# KiCad board led_mapper_850.kicad_pcb (continued)
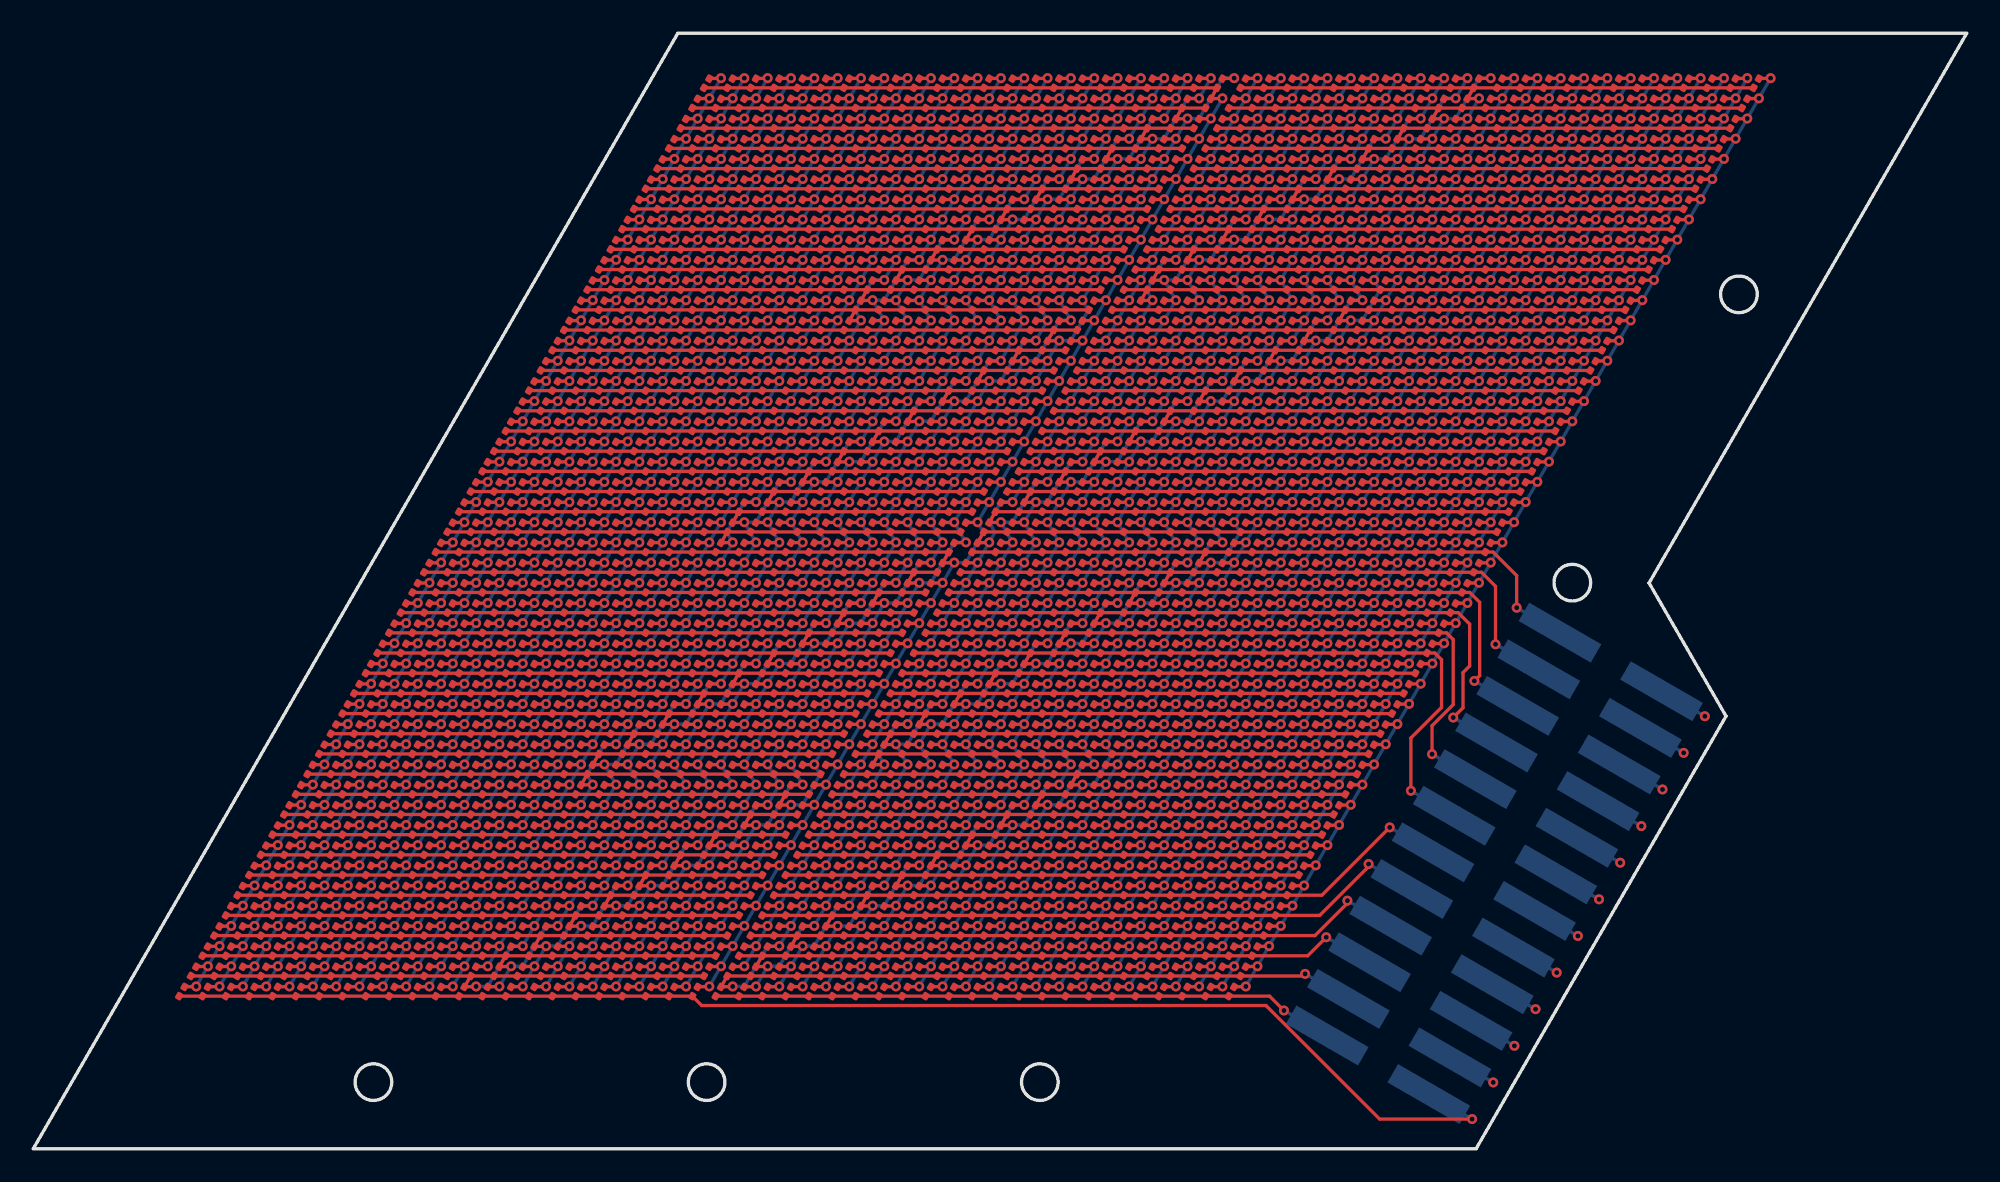
[diagram p0: board, top side]
## Placement (name value [footprint] x y rotation side) (continued)
D1182  LED  [LED_0201_0603Metric_XINGLIGHT]  66.31 33.69 60 top
D1183  LED  [LED_0201_0603Metric_XINGLIGHT]  67.71 33.69 60 top
D1184  LED  [LED_0201_0603Metric_XINGLIGHT]  69.11 33.69 60 top
D1185  LED  [LED_0201_0603Metric_XINGLIGHT]  70.51 33.69 60 top
D1186  LED  [LED_0201_0603Metric_XINGLIGHT]  71.91 33.69 60 top
D1187  LED  [LED_0201_0603Metric_XINGLIGHT]  73.31 33.69 60 top
D1188  LED  [LED_0201_0603Metric_XINGLIGHT]  74.71 33.69 60 top
D1189  LED  [LED_0201_0603Metric_XINGLIGHT]  76.11 33.69 60 top
D1190  LED  [LED_0201_0603Metric_XINGLIGHT]  77.51 33.69 60 top
D1191  LED  [LED_0201_0603Metric_XINGLIGHT]  78.91 33.69 60 top
D1192  LED  [LED_0201_0603Metric_XINGLIGHT]  80.31 33.69 60 top
D1193  LED  [LED_0201_0603Metric_XINGLIGHT]  81.71 33.69 60 top
D1194  LED  [LED_0201_0603Metric_XINGLIGHT]  83.11 33.69 60 top
D1195  LED  [LED_0201_0603Metric_XINGLIGHT]  84.51 33.69 60 top
D1196  LED  [LED_0201_0603Metric_XINGLIGHT]  85.91 33.69 60 top
D1197  LED  [LED_0201_0603Metric_XINGLIGHT]  22.21 32.48 60 top
D1198  LED  [LED_0201_0603Metric_XINGLIGHT]  23.61 32.48 60 top
D1199  LED  [LED_0201_0603Metric_XINGLIGHT]  25.01 32.48 60 top
D1200  LED  [LED_0201_0603Metric_XINGLIGHT]  26.41 32.48 60 top
D1201  LED  [LED_0201_0603Metric_XINGLIGHT]  27.81 32.48 60 top
D1202  LED  [LED_0201_0603Metric_XINGLIGHT]  29.21 32.48 60 top
D1203  LED  [LED_0201_0603Metric_XINGLIGHT]  30.61 32.48 60 top
D1204  LED  [LED_0201_0603Metric_XINGLIGHT]  32.01 32.48 60 top
D1205  LED  [LED_0201_0603Metric_XINGLIGHT]  33.41 32.48 60 top
D1206  LED  [LED_0201_0603Metric_XINGLIGHT]  34.81 32.48 60 top
D1207  LED  [LED_0201_0603Metric_XINGLIGHT]  36.21 32.48 60 top
D1208  LED  [LED_0201_0603Metric_XINGLIGHT]  37.61 32.48 60 top
D1209  LED  [LED_0201_0603Metric_XINGLIGHT]  39.01 32.48 60 top
D1210  LED  [LED_0201_0603Metric_XINGLIGHT]  40.41 32.48 60 top
D1211  LED  [LED_0201_0603Metric_XINGLIGHT]  41.81 32.48 60 top
D1212  LED  [LED_0201_0603Metric_XINGLIGHT]  43.21 32.48 60 top
D1213  LED  [LED_0201_0603Metric_XINGLIGHT]  44.61 32.48 60 top
D1214  LED  [LED_0201_0603Metric_XINGLIGHT]  46.01 32.48 60 top
D1215  LED  [LED_0201_0603Metric_XINGLIGHT]  47.41 32.48 60 top
D1216  LED  [LED_0201_0603Metric_XINGLIGHT]  48.81 32.48 60 top
D1217  LED  [LED_0201_0603Metric_XINGLIGHT]  50.21 32.48 60 top
D1218  LED  [LED_0201_0603Metric_XINGLIGHT]  51.61 32.48 60 top
D1219  LED  [LED_0201_0603Metric_XINGLIGHT]  53.01 32.48 60 top
D1220  LED  [LED_0201_0603Metric_XINGLIGHT]  54.41 32.48 60 top
D1221  LED  [LED_0201_0603Metric_XINGLIGHT]  55.81 32.48 60 top
D1222  LED  [LED_0201_0603Metric_XINGLIGHT]  57.21 32.48 60 top
D1223  LED  [LED_0201_0603Metric_XINGLIGHT]  58.61 32.48 60 top
D1224  LED  [LED_0201_0603Metric_XINGLIGHT]  60.01 32.48 60 top
D1225  LED  [LED_0201_0603Metric_XINGLIGHT]  61.41 32.48 60 top
D1226  LED  [LED_0201_0603Metric_XINGLIGHT]  62.81 32.48 60 top
D1227  LED  [LED_0201_0603Metric_XINGLIGHT]  64.21 32.48 60 top
D1228  LED  [LED_0201_0603Metric_XINGLIGHT]  65.61 32.48 60 top
D1229  LED  [LED_0201_0603Metric_XINGLIGHT]  67.01 32.48 60 top
D1230  LED  [LED_0201_0603Metric_XINGLIGHT]  68.41 32.48 60 top
D1231  LED  [LED_0201_0603Metric_XINGLIGHT]  69.81 32.48 60 top
D1232  LED  [LED_0201_0603Metric_XINGLIGHT]  71.21 32.48 60 top
D1233  LED  [LED_0201_0603Metric_XINGLIGHT]  72.61 32.48 60 top
D1234  LED  [LED_0201_0603Metric_XINGLIGHT]  74.01 32.48 60 top
D1235  LED  [LED_0201_0603Metric_XINGLIGHT]  75.41 32.48 60 top
D1236  LED  [LED_0201_0603Metric_XINGLIGHT]  76.81 32.48 60 top
D1237  LED  [LED_0201_0603Metric_XINGLIGHT]  78.21 32.48 60 top
D1238  LED  [LED_0201_0603Metric_XINGLIGHT]  79.61 32.48 60 top
D1239  LED  [LED_0201_0603Metric_XINGLIGHT]  81.01 32.48 60 top
D1240  LED  [LED_0201_0603Metric_XINGLIGHT]  82.41 32.48 60 top
D1241  LED  [LED_0201_0603Metric_XINGLIGHT]  83.81 32.48 60 top
D1242  LED  [LED_0201_0603Metric_XINGLIGHT]  85.21 32.48 60 top
D1243  LED  [LED_0201_0603Metric_XINGLIGHT]  21.51 31.26 60 top
D1244  LED  [LED_0201_0603Metric_XINGLIGHT]  22.91 31.26 60 top
D1245  LED  [LED_0201_0603Metric_XINGLIGHT]  24.31 31.26 60 top
D1246  LED  [LED_0201_0603Metric_XINGLIGHT]  25.71 31.26 60 top
D1247  LED  [LED_0201_0603Metric_XINGLIGHT]  27.11 31.26 60 top
D1248  LED  [LED_0201_0603Metric_XINGLIGHT]  28.51 31.26 60 top
D1249  LED  [LED_0201_0603Metric_XINGLIGHT]  29.91 31.26 60 top
D1250  LED  [LED_0201_0603Metric_XINGLIGHT]  31.31 31.26 60 top
D1251  LED  [LED_0201_0603Metric_XINGLIGHT]  32.71 31.26 60 top
D1252  LED  [LED_0201_0603Metric_XINGLIGHT]  34.11 31.26 60 top
D1253  LED  [LED_0201_0603Metric_XINGLIGHT]  35.51 31.26 60 top
D1254  LED  [LED_0201_0603Metric_XINGLIGHT]  36.91 31.26 60 top
D1255  LED  [LED_0201_0603Metric_XINGLIGHT]  38.31 31.26 60 top
D1256  LED  [LED_0201_0603Metric_XINGLIGHT]  39.71 31.26 60 top
D1257  LED  [LED_0201_0603Metric_XINGLIGHT]  41.11 31.26 60 top
D1258  LED  [LED_0201_0603Metric_XINGLIGHT]  42.51 31.26 60 top
D1259  LED  [LED_0201_0603Metric_XINGLIGHT]  43.91 31.26 60 top
D1260  LED  [LED_0201_0603Metric_XINGLIGHT]  45.31 31.26 60 top
D1261  LED  [LED_0201_0603Metric_XINGLIGHT]  46.71 31.26 60 top
D1262  LED  [LED_0201_0603Metric_XINGLIGHT]  48.11 31.26 60 top
D1263  LED  [LED_0201_0603Metric_XINGLIGHT]  49.51 31.26 60 top
D1264  LED  [LED_0201_0603Metric_XINGLIGHT]  50.91 31.26 60 top
D1265  LED  [LED_0201_0603Metric_XINGLIGHT]  52.31 31.26 60 top
D1266  LED  [LED_0201_0603Metric_XINGLIGHT]  53.71 31.26 60 top
D1267  LED  [LED_0201_0603Metric_XINGLIGHT]  55.11 31.26 60 top
D1268  LED  [LED_0201_0603Metric_XINGLIGHT]  56.51 31.26 60 top
D1269  LED  [LED_0201_0603Metric_XINGLIGHT]  57.91 31.26 60 top
D1270  LED  [LED_0201_0603Metric_XINGLIGHT]  59.31 31.26 60 top
D1271  LED  [LED_0201_0603Metric_XINGLIGHT]  60.71 31.26 60 top
D1272  LED  [LED_0201_0603Metric_XINGLIGHT]  62.11 31.26 60 top
D1273  LED  [LED_0201_0603Metric_XINGLIGHT]  63.51 31.26 60 top
D1274  LED  [LED_0201_0603Metric_XINGLIGHT]  64.91 31.26 60 top
D1275  LED  [LED_0201_0603Metric_XINGLIGHT]  66.31 31.26 60 top
D1276  LED  [LED_0201_0603Metric_XINGLIGHT]  67.71 31.26 60 top
D1277  LED  [LED_0201_0603Metric_XINGLIGHT]  69.11 31.26 60 top
D1278  LED  [LED_0201_0603Metric_XINGLIGHT]  70.51 31.26 60 top
D1279  LED  [LED_0201_0603Metric_XINGLIGHT]  71.91 31.26 60 top
D1280  LED  [LED_0201_0603Metric_XINGLIGHT]  73.31 31.26 60 top
D1281  LED  [LED_0201_0603Metric_XINGLIGHT]  74.71 31.26 60 top
D1282  LED  [LED_0201_0603Metric_XINGLIGHT]  76.11 31.26 60 top
D1283  LED  [LED_0201_0603Metric_XINGLIGHT]  77.51 31.26 60 top
D1284  LED  [LED_0201_0603Metric_XINGLIGHT]  78.91 31.26 60 top
D1285  LED  [LED_0201_0603Metric_XINGLIGHT]  80.31 31.26 60 top
D1286  LED  [LED_0201_0603Metric_XINGLIGHT]  81.71 31.26 60 top
D1287  LED  [LED_0201_0603Metric_XINGLIGHT]  83.11 31.26 60 top
D1288  LED  [LED_0201_0603Metric_XINGLIGHT]  84.51 31.26 60 top
D1289  LED  [LED_0201_0603Metric_XINGLIGHT]  20.81 30.05 60 top
D1290  LED  [LED_0201_0603Metric_XINGLIGHT]  22.21 30.05 60 top
D1291  LED  [LED_0201_0603Metric_XINGLIGHT]  23.61 30.05 60 top
D1292  LED  [LED_0201_0603Metric_XINGLIGHT]  25.01 30.05 60 top
D1293  LED  [LED_0201_0603Metric_XINGLIGHT]  26.41 30.05 60 top
D1294  LED  [LED_0201_0603Metric_XINGLIGHT]  27.81 30.05 60 top
D1295  LED  [LED_0201_0603Metric_XINGLIGHT]  29.21 30.05 60 top
D1296  LED  [LED_0201_0603Metric_XINGLIGHT]  30.61 30.05 60 top
D1297  LED  [LED_0201_0603Metric_XINGLIGHT]  32.01 30.05 60 top
D1298  LED  [LED_0201_0603Metric_XINGLIGHT]  33.41 30.05 60 top
D1299  LED  [LED_0201_0603Metric_XINGLIGHT]  34.81 30.05 60 top
D1300  LED  [LED_0201_0603Metric_XINGLIGHT]  36.21 30.05 60 top
D1301  LED  [LED_0201_0603Metric_XINGLIGHT]  37.61 30.05 60 top
D1302  LED  [LED_0201_0603Metric_XINGLIGHT]  39.01 30.05 60 top
D1303  LED  [LED_0201_0603Metric_XINGLIGHT]  40.41 30.05 60 top
D1304  LED  [LED_0201_0603Metric_XINGLIGHT]  41.81 30.05 60 top
D1305  LED  [LED_0201_0603Metric_XINGLIGHT]  43.21 30.05 60 top
D1306  LED  [LED_0201_0603Metric_XINGLIGHT]  44.61 30.05 60 top
D1307  LED  [LED_0201_0603Metric_XINGLIGHT]  46.01 30.05 60 top
D1308  LED  [LED_0201_0603Metric_XINGLIGHT]  47.41 30.05 60 top
D1309  LED  [LED_0201_0603Metric_XINGLIGHT]  48.81 30.05 60 top
D1310  LED  [LED_0201_0603Metric_XINGLIGHT]  50.21 30.05 60 top
D1311  LED  [LED_0201_0603Metric_XINGLIGHT]  51.61 30.05 60 top
D1312  LED  [LED_0201_0603Metric_XINGLIGHT]  53.01 30.05 60 top
D1313  LED  [LED_0201_0603Metric_XINGLIGHT]  54.41 30.05 60 top
D1314  LED  [LED_0201_0603Metric_XINGLIGHT]  55.81 30.05 60 top
D1315  LED  [LED_0201_0603Metric_XINGLIGHT]  57.21 30.05 60 top
D1316  LED  [LED_0201_0603Metric_XINGLIGHT]  58.61 30.05 60 top
D1317  LED  [LED_0201_0603Metric_XINGLIGHT]  60.01 30.05 60 top
D1318  LED  [LED_0201_0603Metric_XINGLIGHT]  61.41 30.05 60 top
D1319  LED  [LED_0201_0603Metric_XINGLIGHT]  62.81 30.05 60 top
D1320  LED  [LED_0201_0603Metric_XINGLIGHT]  64.21 30.05 60 top
D1321  LED  [LED_0201_0603Metric_XINGLIGHT]  65.61 30.05 60 top
D1322  LED  [LED_0201_0603Metric_XINGLIGHT]  67.01 30.05 60 top
D1323  LED  [LED_0201_0603Metric_XINGLIGHT]  68.41 30.05 60 top
D1324  LED  [LED_0201_0603Metric_XINGLIGHT]  69.81 30.05 60 top
D1325  LED  [LED_0201_0603Metric_XINGLIGHT]  71.21 30.05 60 top
D1326  LED  [LED_0201_0603Metric_XINGLIGHT]  72.61 30.05 60 top
D1327  LED  [LED_0201_0603Metric_XINGLIGHT]  74.01 30.05 60 top
D1328  LED  [LED_0201_0603Metric_XINGLIGHT]  75.41 30.05 60 top
D1329  LED  [LED_0201_0603Metric_XINGLIGHT]  76.81 30.05 60 top
D1330  LED  [LED_0201_0603Metric_XINGLIGHT]  78.21 30.05 60 top
D1331  LED  [LED_0201_0603Metric_XINGLIGHT]  79.61 30.05 60 top
D1332  LED  [LED_0201_0603Metric_XINGLIGHT]  81.01 30.05 60 top
D1333  LED  [LED_0201_0603Metric_XINGLIGHT]  82.41 30.05 60 top
D1334  LED  [LED_0201_0603Metric_XINGLIGHT]  83.81 30.05 60 top
D1335  LED  [LED_0201_0603Metric_XINGLIGHT]  20.11 28.84 60 top
D1336  LED  [LED_0201_0603Metric_XINGLIGHT]  21.51 28.84 60 top
D1337  LED  [LED_0201_0603Metric_XINGLIGHT]  22.91 28.84 60 top
D1338  LED  [LED_0201_0603Metric_XINGLIGHT]  24.31 28.84 60 top
D1339  LED  [LED_0201_0603Metric_XINGLIGHT]  25.71 28.84 60 top
D1340  LED  [LED_0201_0603Metric_XINGLIGHT]  27.11 28.84 60 top
D1341  LED  [LED_0201_0603Metric_XINGLIGHT]  28.51 28.84 60 top
D1342  LED  [LED_0201_0603Metric_XINGLIGHT]  29.91 28.84 60 top
D1343  LED  [LED_0201_0603Metric_XINGLIGHT]  31.31 28.84 60 top
D1344  LED  [LED_0201_0603Metric_XINGLIGHT]  32.71 28.84 60 top
D1345  LED  [LED_0201_0603Metric_XINGLIGHT]  34.11 28.84 60 top
D1346  LED  [LED_0201_0603Metric_XINGLIGHT]  35.51 28.84 60 top
D1347  LED  [LED_0201_0603Metric_XINGLIGHT]  36.91 28.84 60 top
D1348  LED  [LED_0201_0603Metric_XINGLIGHT]  38.31 28.84 60 top
D1349  LED  [LED_0201_0603Metric_XINGLIGHT]  39.71 28.84 60 top
D1350  LED  [LED_0201_0603Metric_XINGLIGHT]  41.11 28.84 60 top
D1351  LED  [LED_0201_0603Metric_XINGLIGHT]  42.51 28.84 60 top
D1352  LED  [LED_0201_0603Metric_XINGLIGHT]  43.91 28.84 60 top
D1353  LED  [LED_0201_0603Metric_XINGLIGHT]  45.31 28.84 60 top
D1354  LED  [LED_0201_0603Metric_XINGLIGHT]  46.71 28.84 60 top
D1355  LED  [LED_0201_0603Metric_XINGLIGHT]  48.11 28.84 60 top
D1356  LED  [LED_0201_0603Metric_XINGLIGHT]  49.51 28.84 60 top
D1357  LED  [LED_0201_0603Metric_XINGLIGHT]  50.91 28.84 60 top
D1358  LED  [LED_0201_0603Metric_XINGLIGHT]  52.31 28.84 60 top
D1359  LED  [LED_0201_0603Metric_XINGLIGHT]  53.71 28.84 60 top
D1360  LED  [LED_0201_0603Metric_XINGLIGHT]  55.11 28.84 60 top
D1361  LED  [LED_0201_0603Metric_XINGLIGHT]  56.51 28.84 60 top
D1362  LED  [LED_0201_0603Metric_XINGLIGHT]  57.91 28.84 60 top
D1363  LED  [LED_0201_0603Metric_XINGLIGHT]  59.31 28.84 60 top
D1364  LED  [LED_0201_0603Metric_XINGLIGHT]  60.71 28.84 60 top
D1365  LED  [LED_0201_0603Metric_XINGLIGHT]  62.11 28.84 60 top
D1366  LED  [LED_0201_0603Metric_XINGLIGHT]  63.51 28.84 60 top
D1367  LED  [LED_0201_0603Metric_XINGLIGHT]  64.91 28.84 60 top
D1368  LED  [LED_0201_0603Metric_XINGLIGHT]  66.31 28.84 60 top
D1369  LED  [LED_0201_0603Metric_XINGLIGHT]  67.71 28.84 60 top
D1370  LED  [LED_0201_0603Metric_XINGLIGHT]  69.11 28.84 60 top
D1371  LED  [LED_0201_0603Metric_XINGLIGHT]  70.51 28.84 60 top
D1372  LED  [LED_0201_0603Metric_XINGLIGHT]  71.91 28.84 60 top
D1373  LED  [LED_0201_0603Metric_XINGLIGHT]  73.31 28.84 60 top
D1374  LED  [LED_0201_0603Metric_XINGLIGHT]  74.71 28.84 60 top
D1375  LED  [LED_0201_0603Metric_XINGLIGHT]  76.11 28.84 60 top
D1376  LED  [LED_0201_0603Metric_XINGLIGHT]  77.51 28.84 60 top
D1377  LED  [LED_0201_0603Metric_XINGLIGHT]  78.91 28.84 60 top
D1378  LED  [LED_0201_0603Metric_XINGLIGHT]  80.31 28.84 60 top
D1379  LED  [LED_0201_0603Metric_XINGLIGHT]  81.71 28.84 60 top
D1380  LED  [LED_0201_0603Metric_XINGLIGHT]  83.11 28.84 60 top
D1381  LED  [LED_0201_0603Metric_XINGLIGHT]  19.41 27.63 60 top
D1382  LED  [LED_0201_0603Metric_XINGLIGHT]  20.81 27.63 60 top
D1383  LED  [LED_0201_0603Metric_XINGLIGHT]  22.21 27.63 60 top
D1384  LED  [LED_0201_0603Metric_XINGLIGHT]  23.61 27.63 60 top
D1385  LED  [LED_0201_0603Metric_XINGLIGHT]  25.01 27.63 60 top
D1386  LED  [LED_0201_0603Metric_XINGLIGHT]  26.41 27.63 60 top
D1387  LED  [LED_0201_0603Metric_XINGLIGHT]  27.81 27.63 60 top
D1388  LED  [LED_0201_0603Metric_XINGLIGHT]  29.21 27.63 60 top
D1389  LED  [LED_0201_0603Metric_XINGLIGHT]  30.61 27.63 60 top
D1390  LED  [LED_0201_0603Metric_XINGLIGHT]  32.01 27.63 60 top
D1391  LED  [LED_0201_0603Metric_XINGLIGHT]  33.41 27.63 60 top
D1392  LED  [LED_0201_0603Metric_XINGLIGHT]  34.81 27.63 60 top
D1393  LED  [LED_0201_0603Metric_XINGLIGHT]  36.21 27.63 60 top
D1394  LED  [LED_0201_0603Metric_XINGLIGHT]  37.61 27.63 60 top
D1395  LED  [LED_0201_0603Metric_XINGLIGHT]  39.01 27.63 60 top
D1396  LED  [LED_0201_0603Metric_XINGLIGHT]  40.41 27.63 60 top
D1397  LED  [LED_0201_0603Metric_XINGLIGHT]  41.81 27.63 60 top
D1398  LED  [LED_0201_0603Metric_XINGLIGHT]  43.21 27.63 60 top
D1399  LED  [LED_0201_0603Metric_XINGLIGHT]  44.61 27.63 60 top
D1400  LED  [LED_0201_0603Metric_XINGLIGHT]  46.01 27.63 60 top
D1401  LED  [LED_0201_0603Metric_XINGLIGHT]  47.41 27.63 60 top
D1402  LED  [LED_0201_0603Metric_XINGLIGHT]  48.81 27.63 60 top
D1403  LED  [LED_0201_0603Metric_XINGLIGHT]  50.21 27.63 60 top
D1404  LED  [LED_0201_0603Metric_XINGLIGHT]  51.61 27.63 60 top
D1405  LED  [LED_0201_0603Metric_XINGLIGHT]  53.01 27.63 60 top
D1406  LED  [LED_0201_0603Metric_XINGLIGHT]  54.41 27.63 60 top
D1407  LED  [LED_0201_0603Metric_XINGLIGHT]  55.81 27.63 60 top
D1408  LED  [LED_0201_0603Metric_XINGLIGHT]  57.21 27.63 60 top
D1409  LED  [LED_0201_0603Metric_XINGLIGHT]  58.61 27.63 60 top
D1410  LED  [LED_0201_0603Metric_XINGLIGHT]  60.01 27.63 60 top
D1411  LED  [LED_0201_0603Metric_XINGLIGHT]  61.41 27.63 60 top
D1412  LED  [LED_0201_0603Metric_XINGLIGHT]  62.81 27.63 60 top
D1413  LED  [LED_0201_0603Metric_XINGLIGHT]  64.21 27.63 60 top
D1414  LED  [LED_0201_0603Metric_XINGLIGHT]  65.61 27.63 60 top
D1415  LED  [LED_0201_0603Metric_XINGLIGHT]  67.01 27.63 60 top
D1416  LED  [LED_0201_0603Metric_XINGLIGHT]  68.41 27.63 60 top
D1417  LED  [LED_0201_0603Metric_XINGLIGHT]  69.81 27.63 60 top
D1418  LED  [LED_0201_0603Metric_XINGLIGHT]  71.21 27.63 60 top
D1419  LED  [LED_0201_0603Metric_XINGLIGHT]  72.61 27.63 60 top
D1420  LED  [LED_0201_0603Metric_XINGLIGHT]  74.01 27.63 60 top
D1421  LED  [LED_0201_0603Metric_XINGLIGHT]  75.41 27.63 60 top
D1422  LED  [LED_0201_0603Metric_XINGLIGHT]  76.81 27.63 60 top
D1423  LED  [LED_0201_0603Metric_XINGLIGHT]  78.21 27.63 60 top
D1424  LED  [LED_0201_0603Metric_XINGLIGHT]  79.61 27.63 60 top
D1425  LED  [LED_0201_0603Metric_XINGLIGHT]  81.01 27.63 60 top
D1426  LED  [LED_0201_0603Metric_XINGLIGHT]  82.41 27.63 60 top
D1427  LED  [LED_0201_0603Metric_XINGLIGHT]  18.71 26.41 60 top
D1428  LED  [LED_0201_0603Metric_XINGLIGHT]  20.11 26.41 60 top
D1429  LED  [LED_0201_0603Metric_XINGLIGHT]  21.51 26.41 60 top
D1430  LED  [LED_0201_0603Metric_XINGLIGHT]  22.91 26.41 60 top
D1431  LED  [LED_0201_0603Metric_XINGLIGHT]  24.31 26.41 60 top
D1432  LED  [LED_0201_0603Metric_XINGLIGHT]  25.71 26.41 60 top
D1433  LED  [LED_0201_0603Metric_XINGLIGHT]  27.11 26.41 60 top
D1434  LED  [LED_0201_0603Metric_XINGLIGHT]  28.51 26.41 60 top
D1435  LED  [LED_0201_0603Metric_XINGLIGHT]  29.91 26.41 60 top
D1436  LED  [LED_0201_0603Metric_XINGLIGHT]  31.31 26.41 60 top
D1437  LED  [LED_0201_0603Metric_XINGLIGHT]  32.71 26.41 60 top
D1438  LED  [LED_0201_0603Metric_XINGLIGHT]  34.11 26.41 60 top
D1439  LED  [LED_0201_0603Metric_XINGLIGHT]  35.51 26.41 60 top
D1440  LED  [LED_0201_0603Metric_XINGLIGHT]  36.91 26.41 60 top
D1441  LED  [LED_0201_0603Metric_XINGLIGHT]  38.31 26.41 60 top
D1442  LED  [LED_0201_0603Metric_XINGLIGHT]  39.71 26.41 60 top
D1443  LED  [LED_0201_0603Metric_XINGLIGHT]  41.11 26.41 60 top
D1444  LED  [LED_0201_0603Metric_XINGLIGHT]  42.51 26.41 60 top
D1445  LED  [LED_0201_0603Metric_XINGLIGHT]  43.91 26.41 60 top
D1446  LED  [LED_0201_0603Metric_XINGLIGHT]  45.31 26.41 60 top
D1447  LED  [LED_0201_0603Metric_XINGLIGHT]  46.71 26.41 60 top
D1448  LED  [LED_0201_0603Metric_XINGLIGHT]  48.11 26.41 60 top
D1449  LED  [LED_0201_0603Metric_XINGLIGHT]  49.51 26.41 60 top
D1450  LED  [LED_0201_0603Metric_XINGLIGHT]  50.91 26.41 60 top
D1451  LED  [LED_0201_0603Metric_XINGLIGHT]  52.31 26.41 60 top
D1452  LED  [LED_0201_0603Metric_XINGLIGHT]  53.71 26.41 60 top
D1453  LED  [LED_0201_0603Metric_XINGLIGHT]  55.11 26.41 60 top
D1454  LED  [LED_0201_0603Metric_XINGLIGHT]  56.51 26.41 60 top
D1455  LED  [LED_0201_0603Metric_XINGLIGHT]  57.91 26.41 60 top
D1456  LED  [LED_0201_0603Metric_XINGLIGHT]  59.31 26.41 60 top
D1457  LED  [LED_0201_0603Metric_XINGLIGHT]  60.71 26.41 60 top
D1458  LED  [LED_0201_0603Metric_XINGLIGHT]  62.11 26.41 60 top
D1459  LED  [LED_0201_0603Metric_XINGLIGHT]  63.51 26.41 60 top
D1460  LED  [LED_0201_0603Metric_XINGLIGHT]  64.91 26.41 60 top
D1461  LED  [LED_0201_0603Metric_XINGLIGHT]  66.31 26.41 60 top
D1462  LED  [LED_0201_0603Metric_XINGLIGHT]  67.71 26.41 60 top
D1463  LED  [LED_0201_0603Metric_XINGLIGHT]  69.11 26.41 60 top
D1464  LED  [LED_0201_0603Metric_XINGLIGHT]  70.51 26.41 60 top
D1465  LED  [LED_0201_0603Metric_XINGLIGHT]  71.91 26.41 60 top
D1466  LED  [LED_0201_0603Metric_XINGLIGHT]  73.31 26.41 60 top
D1467  LED  [LED_0201_0603Metric_XINGLIGHT]  74.71 26.41 60 top
D1468  LED  [LED_0201_0603Metric_XINGLIGHT]  76.11 26.41 60 top
D1469  LED  [LED_0201_0603Metric_XINGLIGHT]  77.51 26.41 60 top
D1470  LED  [LED_0201_0603Metric_XINGLIGHT]  78.91 26.41 60 top
D1471  LED  [LED_0201_0603Metric_XINGLIGHT]  80.31 26.41 60 top
D1472  LED  [LED_0201_0603Metric_XINGLIGHT]  81.71 26.41 60 top
D1473  LED  [LED_0201_0603Metric_XINGLIGHT]  18.01 25.2 60 top
D1474  LED  [LED_0201_0603Metric_XINGLIGHT]  19.41 25.2 60 top
D1475  LED  [LED_0201_0603Metric_XINGLIGHT]  20.81 25.2 60 top
D1476  LED  [LED_0201_0603Metric_XINGLIGHT]  22.21 25.2 60 top
D1477  LED  [LED_0201_0603Metric_XINGLIGHT]  23.61 25.2 60 top
D1478  LED  [LED_0201_0603Metric_XINGLIGHT]  25.01 25.2 60 top
D1479  LED  [LED_0201_0603Metric_XINGLIGHT]  26.41 25.2 60 top
D1480  LED  [LED_0201_0603Metric_XINGLIGHT]  27.81 25.2 60 top
D1481  LED  [LED_0201_0603Metric_XINGLIGHT]  29.21 25.2 60 top
D1482  LED  [LED_0201_0603Metric_XINGLIGHT]  30.61 25.2 60 top
D1483  LED  [LED_0201_0603Metric_XINGLIGHT]  32.01 25.2 60 top
D1484  LED  [LED_0201_0603Metric_XINGLIGHT]  33.41 25.2 60 top
D1485  LED  [LED_0201_0603Metric_XINGLIGHT]  34.81 25.2 60 top
D1486  LED  [LED_0201_0603Metric_XINGLIGHT]  36.21 25.2 60 top
D1487  LED  [LED_0201_0603Metric_XINGLIGHT]  37.61 25.2 60 top
D1488  LED  [LED_0201_0603Metric_XINGLIGHT]  39.01 25.2 60 top
D1489  LED  [LED_0201_0603Metric_XINGLIGHT]  40.41 25.2 60 top
D1490  LED  [LED_0201_0603Metric_XINGLIGHT]  41.81 25.2 60 top
D1491  LED  [LED_0201_0603Metric_XINGLIGHT]  43.21 25.2 60 top
D1492  LED  [LED_0201_0603Metric_XINGLIGHT]  44.61 25.2 60 top
D1493  LED  [LED_0201_0603Metric_XINGLIGHT]  46.01 25.2 60 top
D1494  LED  [LED_0201_0603Metric_XINGLIGHT]  47.41 25.2 60 top
D1495  LED  [LED_0201_0603Metric_XINGLIGHT]  48.81 25.2 60 top
D1496  LED  [LED_0201_0603Metric_XINGLIGHT]  50.21 25.2 60 top
D1497  LED  [LED_0201_0603Metric_XINGLIGHT]  51.61 25.2 60 top
D1498  LED  [LED_0201_0603Metric_XINGLIGHT]  53.01 25.2 60 top
D1499  LED  [LED_0201_0603Metric_XINGLIGHT]  54.41 25.2 60 top
D1500  LED  [LED_0201_0603Metric_XINGLIGHT]  55.81 25.2 60 top
D1501  LED  [LED_0201_0603Metric_XINGLIGHT]  57.21 25.2 60 top
D1502  LED  [LED_0201_0603Metric_XINGLIGHT]  58.61 25.2 60 top
D1503  LED  [LED_0201_0603Metric_XINGLIGHT]  60.01 25.2 60 top
D1504  LED  [LED_0201_0603Metric_XINGLIGHT]  61.41 25.2 60 top
D1505  LED  [LED_0201_0603Metric_XINGLIGHT]  62.81 25.2 60 top
D1506  LED  [LED_0201_0603Metric_XINGLIGHT]  64.21 25.2 60 top
D1507  LED  [LED_0201_0603Metric_XINGLIGHT]  65.61 25.2 60 top
D1508  LED  [LED_0201_0603Metric_XINGLIGHT]  67.01 25.2 60 top
D1509  LED  [LED_0201_0603Metric_XINGLIGHT]  68.41 25.2 60 top
D1510  LED  [LED_0201_0603Metric_XINGLIGHT]  69.81 25.2 60 top
D1511  LED  [LED_0201_0603Metric_XINGLIGHT]  71.21 25.2 60 top
D1512  LED  [LED_0201_0603Metric_XINGLIGHT]  72.61 25.2 60 top
D1513  LED  [LED_0201_0603Metric_XINGLIGHT]  74.01 25.2 60 top
D1514  LED  [LED_0201_0603Metric_XINGLIGHT]  75.41 25.2 60 top
D1515  LED  [LED_0201_0603Metric_XINGLIGHT]  76.81 25.2 60 top
D1516  LED  [LED_0201_0603Metric_XINGLIGHT]  78.21 25.2 60 top
D1517  LED  [LED_0201_0603Metric_XINGLIGHT]  79.61 25.2 60 top
D1518  LED  [LED_0201_0603Metric_XINGLIGHT]  81.01 25.2 60 top
D1519  LED  [LED_0201_0603Metric_XINGLIGHT]  17.31 23.99 60 top
D1520  LED  [LED_0201_0603Metric_XINGLIGHT]  18.71 23.99 60 top
D1521  LED  [LED_0201_0603Metric_XINGLIGHT]  20.11 23.99 60 top
D1522  LED  [LED_0201_0603Metric_XINGLIGHT]  21.51 23.99 60 top
D1523  LED  [LED_0201_0603Metric_XINGLIGHT]  22.91 23.99 60 top
D1524  LED  [LED_0201_0603Metric_XINGLIGHT]  24.31 23.99 60 top
D1525  LED  [LED_0201_0603Metric_XINGLIGHT]  25.71 23.99 60 top
D1526  LED  [LED_0201_0603Metric_XINGLIGHT]  27.11 23.99 60 top
D1527  LED  [LED_0201_0603Metric_XINGLIGHT]  28.51 23.99 60 top
D1528  LED  [LED_0201_0603Metric_XINGLIGHT]  29.91 23.99 60 top
D1529  LED  [LED_0201_0603Metric_XINGLIGHT]  31.31 23.99 60 top
D1530  LED  [LED_0201_0603Metric_XINGLIGHT]  32.71 23.99 60 top
D1531  LED  [LED_0201_0603Metric_XINGLIGHT]  34.11 23.99 60 top
D1532  LED  [LED_0201_0603Metric_XINGLIGHT]  35.51 23.99 60 top
D1533  LED  [LED_0201_0603Metric_XINGLIGHT]  36.91 23.99 60 top
D1534  LED  [LED_0201_0603Metric_XINGLIGHT]  38.31 23.99 60 top
D1535  LED  [LED_0201_0603Metric_XINGLIGHT]  39.71 23.99 60 top
D1536  LED  [LED_0201_0603Metric_XINGLIGHT]  41.11 23.99 60 top
D1537  LED  [LED_0201_0603Metric_XINGLIGHT]  42.51 23.99 60 top
D1538  LED  [LED_0201_0603Metric_XINGLIGHT]  43.91 23.99 60 top
D1539  LED  [LED_0201_0603Metric_XINGLIGHT]  45.31 23.99 60 top
D1540  LED  [LED_0201_0603Metric_XINGLIGHT]  46.71 23.99 60 top
D1541  LED  [LED_0201_0603Metric_XINGLIGHT]  48.11 23.99 60 top
D1542  LED  [LED_0201_0603Metric_XINGLIGHT]  49.51 23.99 60 top
D1543  LED  [LED_0201_0603Metric_XINGLIGHT]  50.91 23.99 60 top
D1544  LED  [LED_0201_0603Metric_XINGLIGHT]  52.31 23.99 60 top
D1545  LED  [LED_0201_0603Metric_XINGLIGHT]  53.71 23.99 60 top
D1546  LED  [LED_0201_0603Metric_XINGLIGHT]  55.11 23.99 60 top
D1547  LED  [LED_0201_0603Metric_XINGLIGHT]  56.51 23.99 60 top
D1548  LED  [LED_0201_0603Metric_XINGLIGHT]  57.91 23.99 60 top
D1549  LED  [LED_0201_0603Metric_XINGLIGHT]  59.31 23.99 60 top
D1550  LED  [LED_0201_0603Metric_XINGLIGHT]  60.71 23.99 60 top
D1551  LED  [LED_0201_0603Metric_XINGLIGHT]  62.11 23.99 60 top
D1552  LED  [LED_0201_0603Metric_XINGLIGHT]  63.51 23.99 60 top
D1553  LED  [LED_0201_0603Metric_XINGLIGHT]  64.91 23.99 60 top
D1554  LED  [LED_0201_0603Metric_XINGLIGHT]  66.31 23.99 60 top
D1555  LED  [LED_0201_0603Metric_XINGLIGHT]  67.71 23.99 60 top
D1556  LED  [LED_0201_0603Metric_XINGLIGHT]  69.11 23.99 60 top
D1557  LED  [LED_0201_0603Metric_XINGLIGHT]  70.51 23.99 60 top
D1558  LED  [LED_0201_0603Metric_XINGLIGHT]  71.91 23.99 60 top
D1559  LED  [LED_0201_0603Metric_XINGLIGHT]  73.31 23.99 60 top
D1560  LED  [LED_0201_0603Metric_XINGLIGHT]  74.71 23.99 60 top
D1561  LED  [LED_0201_0603Metric_XINGLIGHT]  76.11 23.99 60 top
D1562  LED  [LED_0201_0603Metric_XINGLIGHT]  77.51 23.99 60 top
D1563  LED  [LED_0201_0603Metric_XINGLIGHT]  78.91 23.99 60 top
D1564  LED  [LED_0201_0603Metric_XINGLIGHT]  80.31 23.99 60 top
D1565  LED  [LED_0201_0603Metric_XINGLIGHT]  16.61 22.78 60 top
D1566  LED  [LED_0201_0603Metric_XINGLIGHT]  18.01 22.78 60 top
D1567  LED  [LED_0201_0603Metric_XINGLIGHT]  19.41 22.78 60 top
D1568  LED  [LED_0201_0603Metric_XINGLIGHT]  20.81 22.78 60 top
D1569  LED  [LED_0201_0603Metric_XINGLIGHT]  22.21 22.78 60 top
D1570  LED  [LED_0201_0603Metric_XINGLIGHT]  23.61 22.78 60 top
D1571  LED  [LED_0201_0603Metric_XINGLIGHT]  25.01 22.78 60 top
